# Allegro board 038RT-9068CJK8E-A100_0921_1.brd (continued)
## Placement (name value [footprint] x y rotation side) (continued)
UNK3R46  NC/10K-1-S4  [R0402]  538.34 286.57 90 bottom
UNK3R56  NC/1K-1-S4  [R0402]  621.84 252.09 270 bottom
UNK3R60  10K-1-S4  [R0402]  543.42 286.57 90 bottom
UNK3R61  10K-1-S4  [R0402]  551.04 286.57 90 bottom
UNK3R62  10K-1-S4  [R0402]  548.5 284.17 270 bottom
UNK3R63  NC/10K-1-S4  [R0402]  554.85 286.57 90 bottom
UNK3R64  NC/10K-1-S4  [R0402]  552.31 286.57 90 bottom
UNK3R66  NC/10K-1-S4  [R0402]  549.77 286.57 90 bottom
UNK3R67  NC/10K-1-S4  [R0402]  544.69 286.57 90 bottom
UNK3R68  NC/10K-1-S4  [R0402]  553.58 286.57 90 bottom
UNK3R69  24K-1-S4  [R0402]  606.47 265.72 270 bottom
UNK3R70  10K-1-S4  [R0402]  540.88 286.57 90 bottom
UNK3R71  10K-1-S4  [R0402]  542.15 286.57 90 bottom
UNK3R105  NC/0-5-S4  [R0402]  432.16 276.86 180 bottom
UNK3R110  24K-1-S4  [R0402]  405.8 274.69 0 bottom
UNK3R126  100-1-S4  [R0402]  633.1 357.92 0 top
UNK3R130  100-1-S4  [R0402]  640.14 357.92 0 top
UNK3R133  75-1-S4  [R0402]  630.59 329.01 270 top
UNK3R134  75-1-S4  [R0402]  636.62 329.01 270 top
UNK3R135  75-1-S4  [R0402]  636.62 309.47 270 top
UNK3R136  75-1-S4  [R0402]  630.59 309.47 270 top
UNK3R137  0-5-S4  [R0402]  655.18 144.78 90 bottom
UNK3R138  3.9K-1-S4  [R0402]  660.26 144.78 90 bottom
UNK3R139  1K-1-S4  [R0402]  633.37 279.37 0 top
UNK3R140  1K-1-S4  [R0402]  633.37 280.77 0 top
UNK3R141  1K-1-S4  [R0402]  633.37 284.58 0 top
UNK3R142  1K-1-S4  [R0402]  633.37 285.98 0 top
UNK3R149  1K-1-S4  [R0402]  360.56 266.82 180 bottom
UNK3R150  1K-1-S4  [R0402]  360.56 265.42 180 bottom
UNK3R155  1K-1-S4  [R0402]  368.45 261.86 0 bottom
UNK3R156  1K-1-S4  [R0402]  368.45 263.26 0 bottom
UNK3R263  NC/10K-1-S4  [R0402]  548.5 286.57 90 bottom
UNK3R264  NC/10K-1-S4  [R0402]  551.04 284.17 270 bottom
UNK3R275  1M-1-S6  [R0603]  562.64 426.15 270 bottom
UNK3R276  1M-1-S6  [R0603]  531.05 431.82 90 top
UNK3R281  10K-1-S4  [R0402]  537.07 284.17 270 bottom
UNK3R282  10K-1-S4  [R0402]  538.34 284.17 270 bottom
UNK3R309  NC/10K-1-S25-ST  [R2512]  528.26 436.77 180 top
UNK3R327  1K-1-S4  [R0402]  535.68 271.06 180 bottom
UNK3R328  1K-1-S4  [R0402]  535.68 277.94 180 bottom
UNK3R342  10K-1-S4  [R0402]  589.31 420.65 270 bottom
UNK3R343  10K-1-S4  [R0402]  584.23 420.65 270 bottom
UNK3R344  10K-1-S4  [R0402]  579.15 420.65 270 bottom
UNK3R345  10K-1-S4  [R0402]  574.07 420.65 270 bottom
UNK3R347  0-5-S4  [R0402]  545.96 284.17 90 bottom
UNK3R348  0-5-S4  [R0402]  547.23 284.17 90 bottom
UNK3R350  1K-1-S4  [R0402]  545.96 286.57 270 bottom
UNK3R351  1K-1-S4  [R0402]  547.23 286.57 90 bottom
UNK3R360  NC/898-1-S6-KOA  [R0603]  562.64 429.5 90 bottom
UNK3R361  NC/100-1-S6  [R0603]  562.64 432.93 90 bottom
UNK3R362  0-5-S6  [R0603]  565.18 421.28 270 bottom
UNK3R434  0-5-S4  [R0402]  434.22 276.86 0 bottom
UNK3R438  1K-1-S4  [R0402]  368.45 270.88 0 bottom
UNK3R439  1K-1-S4  [R0402]  360.56 273.04 180 bottom
UNK3R440  1K-1-S4  [R0402]  360.56 274.44 180 bottom
UNK3R441  1K-1-S4  [R0402]  368.45 269.48 0 bottom
UNK3R454  1K-1-S8  [R0805]  408.21 288.03 90 bottom
UNK3R455  1K-1-S8  [R0805]  406.18 288.03 90 bottom
UNK3R456  100K-1-S6  [R0603]  408.75 290.56 0 bottom
UNK3R470  1K-1-S4  [R0402]  618.58 274.77 0 bottom
UNK3R473  1K-1-S4  [R0402]  618.58 270.07 0 bottom
UNK3R474  1K-1-S4  [R0402]  618.58 273.37 0 bottom
UNK3R475  1K-1-S4  [R0402]  618.58 268.67 0 bottom
UNK3R498  1K-1-S8  [R0805]  414.82 288.03 90 bottom
UNK3R499  1K-1-S8  [R0805]  412.78 288.03 90 bottom
UNK3R500  100K-1-S6  [R0603]  415.35 290.56 0 bottom
UNK3R517  1K-1-S8  [R0805]  639.05 260.8 0 top
UNK3R518  1K-1-S8  [R0805]  639.05 262.84 0 top
UNK3R519  100K-1-S6  [R0603]  642.38 261.12 0 top
UNK3R536  1K-1-S8  [R0805]  639.05 256.16 0 top
UNK3R537  1K-1-S8  [R0805]  639.05 258.2 0 top
UNK3R538  100K-1-S6  [R0603]  642.38 256.48 0 top
UNK3R540  NC/120-1-S4  [R0402]  671.81 264.07 180 top
UNK3R541  NC/120-1-S4  [R0402]  678.81 264.07 0 top
UNK3R542  NC/120-1-S4  [R0402]  671.81 283.12 0 top
UNK3R543  NC/120-1-S4  [R0402]  678.81 283.12 0 top
UNK3R548  0-5-S4  [R0402]  573.59 449.66 180 top
UNK3R552  NC/10K-1-S4  [R0402]  543.42 284.17 90 bottom
UNK3R553  NC/0-5-S4  [R0402]  530.72 286.57 90 bottom
UNK3R554  NC/10K-1-S4  [R0402]  528.18 286.57 90 bottom
UNK3R555  NC/0-5-S4  [R0402]  542.15 284.17 90 bottom
UNK3R556  NC/0-5-S4  [R0402]  529.45 286.57 90 bottom
UNK3R557  NC/0-5-S4  [R0402]  521.83 286.57 90 bottom
UNK3R558  NC/0-5-S4  [R0402]  526.91 286.57 90 bottom
UNK3R559  NC/0-5-S4  [R0402]  525.64 286.57 90 bottom
UNK3R560  NC/0-5-S4  [R0402]  529.45 284.17 90 bottom
UNK3R561  NC/0-5-S4  [R0402]  530.72 284.17 90 bottom
UNK3R562  NC/0-5-S4  [R0402]  526.91 284.17 90 bottom
UNK3R563  NC/10K-1-S4  [R0402]  531.99 286.57 90 bottom
UNK3R564  NC/10K-1-S4  [R0402]  533.26 286.57 90 bottom
UNK3R565  NC/10K-1-S4  [R0402]  534.53 286.57 90 bottom
UNK3R566  NC/10K-1-S4  [R0402]  535.8 286.57 90 bottom
UNK3R567  NC/0-5-S4  [R0402]  523.1 286.57 90 bottom
UNK3R568  NC/10K-1-S4  [R0402]  554.85 284.17 270 bottom
UNK3R569  NC/10K-1-S4  [R0402]  552.31 284.17 270 bottom
UNK3R570  NC/10K-1-S4  [R0402]  549.77 284.17 270 bottom
UNK3R571  NC/10K-1-S4  [R0402]  553.58 284.17 270 bottom
UNK3R572  NC/10K-1-S4  [R0402]  544.69 284.17 270 bottom
UNK3R573  NC/10K-1-S4  [R0402]  528.18 284.17 270 bottom
UNK3R574  NC/10K-1-S4  [R0402]  535.8 284.17 270 bottom
UNK3R575  NC/10K-1-S4  [R0402]  534.53 284.17 270 bottom
UNK3R576  NC/10K-1-S4  [R0402]  533.26 284.17 270 bottom
UNK3R577  NC/10K-1-S4  [R0402]  531.99 284.17 270 bottom
UNK3R578  0-1-S4-YA  [R0402]  619.3 252.09 270 bottom
UNK3R579  0-1-S4-YA  [R0402]  620.57 252.09 270 bottom
UNK3R580  0-1-S4-YA  [R0402]  557.39 284.17 90 bottom
UNK3R581  0-1-S4-YA  [R0402]  559.93 286.57 90 bottom
UNK3R582  0-1-S4-YA  [R0402]  559.93 284.17 90 bottom
UNK3R583  0-1-S4-YA  [R0402]  558.66 286.57 90 bottom
UNK3R584  0-1-S4-YA  [R0402]  540.88 284.17 270 bottom
UNK3R586  0-5-S25  [R2512]  556.79 446.94 270 top
UNK3RB7  54.9K-1-S4  [R0402]  573.59 452.2 180 top
UNK3RB8  100K-1-S4  [R0402]  573.59 453.47 0 top
UNK3RD11  0-5-SB  [R1210]  502.28 418.71 0 top
UNK3RD21  0-5-SB  [R1210]  507.36 418.71 180 top
UNK3RD32  0-5-S8  [R0805]  390.38 262.71 90 bottom
UNK3RD42  0-5-S8  [R0805]  415.13 245.36 180 bottom
UNK3RD43  0-5-S8  [R0805]  411.09 241.7 180 bottom
UNK3RD62  0-5-S8  [R0805]  395.6 247.39 0 bottom
UNK3RD64  0-5-S8  [R0805]  395.6 245.36 180 bottom
UNK3RD72  0-5-S8  [R0805]  411.09 247.42 180 bottom
UNK3RD73  0-5-S6  [R0603]  436.09 263.99 0 bottom
UNK3RD74  0-5-S6  [R0603]  429.74 263.99 0 bottom
UNK3RD75  0-5-S6  [R0603]  436.09 258.91 0 bottom
UNK3RD76  0-5-S6  [R0603]  429.74 258.91 0 bottom
UNK3RD77  0-5-S6  [R0603]  436.09 266.53 0 bottom
UNK3RD78  0-5-S6  [R0603]  436.09 261.45 0 bottom
UNK3RD79  0-5-S6  [R0603]  586.77 420.65 90 bottom
UNK3RD80  0-5-S6  [R0603]  576.61 420.65 90 bottom
UNK3RD81  0-5-S6  [R0603]  344.46 281.13 180 bottom
UNK3RD82  0-5-S6  [R0603]  540.51 273.73 180 bottom
UNK3RD83  0-5-S6  [R0603]  540.51 275.26 180 bottom
UNK3RD84  0-5-S6  [R0603]  344.46 270.11 180 bottom
UNK3RD85  0-5-S6  [R0603]  344.46 284.33 180 bottom
UNK3RD86  0-5-S6  [R0603]  344.46 277.91 180 bottom
UNK3RD87  0-5-S6  [R0603]  432.91 263.99 0 bottom
UNK3RD88  0-5-S6  [R0603]  429.74 261.45 0 bottom
UNK3RD89  0-5-S6  [R0603]  432.91 258.91 0 bottom
UNK3RD90  0-5-S6  [R0603]  429.74 269.07 0 bottom
UNK3RD92  0-5-S6  [R0603]  432.91 261.45 0 bottom
UNK3RD95  0-5-S6  [R0603]  432.91 266.53 0 bottom
UNK3RD96  0-5-S6  [R0603]  436.09 269.07 0 bottom
UNK3RD97  0-5-S6  [R0603]  432.91 269.07 180 bottom
UNK3RD98  0-5-S6  [R0603]  344.46 287.46 180 bottom
UNK3RD99  0-5-S6  [R0603]  344.46 290.66 180 bottom
UNK3RD100  0-5-S6  [R0603]  429.74 266.53 0 bottom
UNK3RD101  0-5-S6  [R0603]  344.46 273.31 180 bottom
UNK3RD178  0-5-S6  [R0603]  344.46 266.2 180 bottom
UNK3RD179  0-5-S6  [R0603]  344.46 263 180 bottom
UNK3RD180  NC/0-5-S6  [R0603]  522.74 280.85 0 bottom
UNK3RD181  NC/0-5-S6  [R0603]  522.74 279.32 0 bottom
UNK3RG1  0-5-SB  [R1210]  631.81 268.61 90 top
UNK3RG21  0-5-S4  [R0402]  524.37 286.57 90 bottom
UNK3RG22  0-5-S4  [R0402]  525.64 284.17 90 bottom
UNK3RG32  0-5-S8  [R0805]  594.49 281.65 0 bottom
UNK3RG42  0-5-S8  [R0805]  579.2 256.39 90 bottom
UNK3RG64  0-5-S8  [R0805]  577.13 275.41 90 bottom
UNK3RG72  0-5-S8  [R0805]  579.2 260.42 90 bottom
UNK3RG73  0-5-S6  [R0603]  627.43 251.66 0 bottom
UNK3RG74  0-5-S6  [R0603]  627.43 249.76 0 bottom
UNK3RG75  0-5-S6  [R0603]  627.43 245.95 0 bottom
UNK3RG76  0-5-S6  [R0603]  627.43 244.04 0 bottom
UNK3RG77  0-5-S6  [R0603]  627.43 253.59 0 bottom
UNK3RG78  0-5-S6  [R0603]  627.43 247.85 0 bottom
UNK3RH13  4.7K-1-S6  [R0603]  472.45 426.2 90 bottom
UNK3RH23  4.7K-1-S6  [R0603]  410.44 426.2 90 bottom
UNK3RH112  0-5-S4  [R0402]  477.82 428.93 90 bottom
UNK3RH113  10K-1-S6  [R0603]  479.22 431.47 90 bottom
UNK3RH114  10K-1-S6  [R0603]  480.74 431.47 90 bottom
UNK3RH116  0-5-SB  [R1210]  446.18 431.88 90 bottom
UNK3RH118  NC/0-5-S4  [R0402]  467.79 449.76 270 bottom
UNK3RH119  NC/0-5-S4  [R0402]  466.52 449.76 270 bottom
UNK3RH121  47K-1-S4  [R0402]  494.71 428.41 180 top
UNK3RH122  47K-1-S4  [R0402]  492.94 455.58 270 top
UNK3RH123  NC/0-5-S4  [R0402]  465.25 449.76 270 bottom
UNK3RH129  NC/0-5-S4  [R0402]  463.19 438.45 270 bottom
UNK3RH130  0-5-S4  [R0402]  457.79 444.7 90 bottom
UNK3RH132  0-5-S4  [R0402]  456.52 444.7 90 bottom
UNK3RH151  0-5-S4  [R0402]  472.74 428.93 90 bottom
UNK3RH152  NC/0-5-S4  [R0402]  495.48 458.89 90 bottom
UNK3RH161  0-5-S4  [R0402]  472.74 431.47 90 bottom
UNK3RH162  NC/0-5-S4  [R0402]  492.94 458.89 90 bottom
UNK3RH171  4.7K-1-S6  [R0603]  474.01 428.93 90 bottom
UNK3RH172  NC/0-5-S4  [R0402]  474.01 431.47 90 bottom
UNK3RH181  0-5-S4  [R0402]  475.28 428.93 90 bottom
UNK3RH182  NC/0-5-S4  [R0402]  490.4 458.89 90 bottom
UNK3RH191  0-5-S4  [R0402]  475.28 431.47 90 bottom
UNK3RH192  NC/0-5-S4  [R0402]  487.86 458.89 270 bottom
UNK3RH212  0-5-S4  [R0402]  415.81 428.93 90 bottom
UNK3RH213  10K-1-S6  [R0603]  417.21 431.47 90 bottom
UNK3RH214  10K-1-S6  [R0603]  418.73 431.47 90 bottom
UNK3RH216  0-5-SB  [R1210]  384.17 431.88 90 bottom
UNK3RH218  NC/0-5-S4  [R0402]  405.78 449.76 270 bottom
UNK3RH219  NC/0-5-S4  [R0402]  404.51 449.76 270 bottom
UNK3RH221  47K-1-S4  [R0402]  432.7 428.41 180 top
UNK3RH222  47K-1-S4  [R0402]  430.93 455.58 270 top
UNK3RH223  NC/0-5-S4  [R0402]  403.24 449.76 270 bottom
UNK3RH229  NC/0-5-S4  [R0402]  401.18 438.45 270 bottom
UNK3RH230  0-5-S4  [R0402]  395.78 444.7 90 bottom
UNK3RH232  0-5-S4  [R0402]  394.51 444.7 90 bottom
UNK3RH251  0-5-S4  [R0402]  410.73 428.93 90 bottom
UNK3RH252  NC/0-5-S4  [R0402]  437.28 458.89 90 bottom
UNK3RH261  0-5-S4  [R0402]  410.73 431.47 90 bottom
UNK3RH262  NC/0-5-S4  [R0402]  434.74 458.89 90 bottom
UNK3RH271  4.7K-1-S6  [R0603]  412 428.93 90 bottom
UNK3RH272  NC/0-5-S4  [R0402]  412 431.47 90 bottom
UNK3RH281  0-5-S4  [R0402]  413.27 428.93 90 bottom
UNK3RH282  NC/0-5-S4  [R0402]  432.2 458.89 90 bottom
UNK3RH291  0-5-S4  [R0402]  413.27 431.47 90 bottom
UNK3RH292  NC/0-5-S4  [R0402]  429.66 458.89 270 bottom
UNK3RH1101  NC/0-5-S4  [R0402]  476.55 431.47 90 bottom
UNK3RH1102  0-5-S4  [R0402]  477.82 431.47 90 bottom
UNK3RH1103  10K-1-S6  [R0603]  476.55 428.93 90 bottom
UNK3RH1104  NC/0-5-S4  [R0402]  485.32 458.89 270 bottom
UNK3RH1182  NC/0-5-S4  [R0402]  462.46 458.89 270 bottom
UNK3RH1192  NC/0-5-S4  [R0402]  459.92 458.89 270 bottom
UNK3RH1232  NC/0-5-S4  [R0402]  457.38 458.89 270 bottom
UNK3RH1241  NC/0-5-S4  [R0402]  463.98 449.76 270 bottom
UNK3RH1242  47K-1-S4  [R0402]  492.44 428.41 180 top
UNK3RH1243  NC/0-5-S4  [R0402]  454.84 458.89 270 bottom
UNK3RH1261  10K-1-S6  [R0603]  462.71 452.3 90 bottom
UNK3RH1262  0-5-S4  [R0402]  462.71 449.76 90 bottom
UNK3RH1263  NC/0-5-S4  [R0402]  452.3 458.89 270 bottom
UNK3RH1271  10K-1-S6  [R0603]  461.18 452.3 90 bottom
UNK3RH1272  0-5-S4  [R0402]  461.18 449.76 90 bottom
UNK3RH1273  NC/0-5-S4  [R0402]  449.76 458.89 270 bottom
UNK3RH1281  10K-1-S6  [R0603]  459.66 452.3 90 bottom
UNK3RH1282  0-5-S4  [R0402]  459.66 449.76 90 bottom
UNK3RH1283  NC/0-5-S4  [R0402]  471.35 458.89 270 bottom
UNK3RH1511  12K-1-S4  [R0402]  459.26 431.99 0 bottom
UNK3RH2101  NC/0-5-S4  [R0402]  414.54 431.47 90 bottom
UNK3RH2102  0-5-S4  [R0402]  415.81 431.47 90 bottom
UNK3RH2103  10K-1-S6  [R0603]  414.54 428.93 90 bottom
UNK3RH2104  NC/0-5-S4  [R0402]  427.12 458.89 270 bottom
UNK3RH2182  NC/0-5-S4  [R0402]  400.45 458.89 270 bottom
UNK3RH2192  NC/0-5-S4  [R0402]  397.91 458.89 270 bottom
UNK3RH2232  NC/0-5-S4  [R0402]  395.37 458.89 270 bottom
UNK3RH2241  NC/0-5-S4  [R0402]  401.97 449.76 270 bottom
UNK3RH2242  47K-1-S4  [R0402]  430.43 428.41 180 top
UNK3RH2243  NC/0-5-S4  [R0402]  392.83 458.89 270 bottom
UNK3RH2261  10K-1-S6  [R0603]  400.7 452.3 90 bottom
UNK3RH2262  0-5-S4  [R0402]  400.7 449.76 90 bottom
UNK3RH2263  NC/0-5-S4  [R0402]  390.29 458.89 270 bottom
UNK3RH2271  10K-1-S6  [R0603]  399.17 452.3 90 bottom
UNK3RH2272  0-5-S4  [R0402]  399.17 449.76 90 bottom
UNK3RH2273  NC/0-5-S4  [R0402]  387.75 458.89 270 bottom
UNK3RH2281  10K-1-S6  [R0603]  397.65 452.3 90 bottom
UNK3RH2282  0-5-S4  [R0402]  397.65 449.76 90 bottom
UNK3RH2283  NC/0-5-S4  [R0402]  413.15 458.89 270 bottom
UNK3RH2511  12K-1-S4  [R0402]  397.25 431.99 0 bottom
UNK3RHPC1  0-5-S25  [R2512]  441.03 449.58 270 bottom
UNK3RL15  NC/3.9K-1-S4  [R0402]  665.59 280.29 90 bottom
UNK3RL16  10K-1-S4  [R0402]  666.73 278.26 270 bottom
UNK3RL18  10K-1-S4  [R0402]  640.24 273.77 90 bottom
UNK3RL21  10K-1-S4  [R0402]  546.21 251.66 180 bottom
UNK3RL38  NC/3.9K-1-S4  [R0402]  549.58 274.05 180 bottom
UNK3RL39  10K-1-S4  [R0402]  549.08 267.57 90 bottom
UNK3RL42  10K-1-S4  [R0402]  437.56 252.76 225 bottom
UNK3RL44  10K-1-S4  [R0402]  460.46 253.12 180 bottom
UNK3RR400  0-5-S6  [R0603]  493.23 273.73 180 bottom
UNK3RR401  0-5-S6  [R0603]  508.99 275.26 180 bottom
UNK3RR402  0-5-S6  [R0603]  524.75 262.84 180 bottom
UNK3RR403  0-5-S6  [R0603]  508.99 262.84 180 bottom
UNK3RR404  0-5-S6  [R0603]  508.99 273.73 180 bottom
UNK3RR405  0-5-S6  [R0603]  493.23 275.26 180 bottom
UNK3RR406  0-5-S6  [R0603]  508.99 261.32 180 bottom
UNK3RR407  0-5-S6  [R0603]  508.99 267.53 180 bottom
UNK3RR408  0-5-S6  [R0603]  524.75 275.26 180 bottom
UNK3RR409  0-5-S6  [R0603]  524.75 273.73 180 bottom
UNK3RR410  0-5-S6  [R0603]  524.75 269.05 180 bottom
UNK3RR411  0-5-S6  [R0603]  524.75 267.53 180 bottom
UNK3RR412  0-5-S6  [R0603]  508.99 269.05 180 bottom
UNK3RR413  0-5-S6  [R0603]  524.75 261.32 180 bottom
UNK3RR500  0-1-S2-YA  [R0201]  592.43 242.31 90 bottom
UNK3RR501  0-1-S2-YA  [R0201]  590.4 242.31 90 bottom
UNK3RR502  0-1-S2-YA  [R0201]  594.46 242.31 90 bottom
UNK3RR503  0-1-S2-YA  [R0201]  596.49 242.31 90 bottom
UNK3RR504  0-1-S2-YA  [R0201]  586.33 242.31 90 bottom
UNK3RR505  0-1-S2-YA  [R0201]  588.37 242.31 90 bottom
UNK3RR510  0-1-S2-YA  [R0201]  592.43 241.1 270 bottom
UNK3RR511  0-1-S2-YA  [R0201]  590.4 241.1 270 bottom
UNK3RR512  0-1-S2-YA  [R0201]  594.46 241.1 270 bottom
UNK3RR513  0-1-S2-YA  [R0201]  596.49 241.1 270 bottom
UNK3RR514  0-1-S2-YA  [R0201]  586.33 241.1 270 bottom
UNK3RR515  0-1-S2-YA  [R0201]  588.37 241.1 270 bottom
UNK3RR520  0-1-S2-YA  [R0201]  440.62 280.64 0 bottom
UNK3RR521  0-1-S2-YA  [R0201]  436.81 284.7 0 bottom
UNK3RR522  0-1-S2-YA  [R0201]  440.62 278.61 0 bottom
UNK3RR523  0-1-S2-YA  [R0201]  436.81 282.67 0 bottom
UNK3RR524  0-1-S2-YA  [R0201]  440.62 284.7 0 bottom
UNK3RR525  0-1-S2-YA  [R0201]  440.62 286.73 0 bottom
UNK3RR530  0-1-S2-YA  [R0201]  439.41 280.64 180 bottom
UNK3RR531  0-1-S2-YA  [R0201]  435.6 284.7 180 bottom
UNK3RR532  0-1-S2-YA  [R0201]  439.41 278.61 180 bottom
UNK3RR533  0-1-S2-YA  [R0201]  435.6 282.67 180 bottom
UNK3RR534  0-1-S2-YA  [R0201]  439.41 284.7 180 bottom
UNK3RR535  0-1-S2-YA  [R0201]  439.41 286.73 180 bottom
UNK3RR900  0-1-S2-YA  [R0201]  602.59 242.31 90 bottom
UNK3RR901  0-1-S2-YA  [R0201]  600.56 242.31 90 bottom
UNK3RR902  0-1-S2-YA  [R0201]  584.3 242.31 90 bottom
UNK3RR903  0-1-S2-YA  [R0201]  598.53 242.31 90 bottom
UNK3RR904  0-1-S2-YA  [R0201]  606.65 242.31 90 bottom
UNK3RR905  0-1-S2-YA  [R0201]  604.62 242.31 90 bottom
UNK3RR910  0-1-S2-YA  [R0201]  602.59 241.1 270 bottom
UNK3RR911  0-1-S2-YA  [R0201]  600.56 241.1 270 bottom
UNK3RR912  0-1-S2-YA  [R0201]  584.3 241.1 270 bottom
UNK3RR913  0-1-S2-YA  [R0201]  598.53 241.1 270 bottom
UNK3RR914  0-1-S2-YA  [R0201]  606.65 241.1 270 bottom
UNK3RR915  0-1-S2-YA  [R0201]  604.62 241.1 270 bottom
UNK3RR920  0-1-S2-YA  [R0201]  574.97 252.56 90 bottom
UNK3RR921  0-1-S2-YA  [R0201]  436.81 280.64 0 bottom
UNK3RR922  0-1-S2-YA  [R0201]  436.81 278.61 0 bottom
UNK3RR923  0-1-S2-YA  [R0201]  436.81 288.77 0 bottom
UNK3RR924  0-1-S2-YA  [R0201]  436.81 286.73 0 bottom
UNK3RR925  0-1-S2-YA  [R0201]  440.62 282.67 0 bottom
UNK3RR930  0-1-S2-YA  [R0201]  574.97 251.35 270 bottom
UNK3RR931  0-1-S2-YA  [R0201]  435.6 280.64 180 bottom
UNK3RR932  0-1-S2-YA  [R0201]  435.6 278.61 180 bottom
UNK3RR933  0-1-S2-YA  [R0201]  435.6 288.77 180 bottom
UNK3RR934  0-1-S2-YA  [R0201]  435.6 286.73 180 bottom
UNK3RR935  0-1-S2-YA  [R0201]  439.41 282.67 180 bottom
UNK3RRG49  10K-1-S4  [R0402]  558.66 284.17 90 bottom
UNK3RRG51  10K-1-S4  [R0402]  556.32 238.86 270 bottom
UNK3RRG52  NC/10K-1-S4  [R0402]  555.18 238.86 270 bottom
UNK3RRG53  10K-1-S4  [R0402]  556.32 241.15 90 bottom
UNK3RRG54  NC/10K-1-S4  [R0402]  555.18 241.15 90 bottom
UNK3RRG55  NC/10K-1-S4  [R0402]  541.08 238.86 270 bottom
UNK3RRG56  10K-1-S4  [R0402]  539.94 238.86 270 bottom
UNK3RRG57  NC/10K-1-S4  [R0402]  541.08 241.15 90 bottom
UNK3RRG58  10K-1-S4  [R0402]  539.94 241.15 90 bottom
UNK3RRG59  10K-1-S4  [R0402]  588 237.18 180 top
UNK3RRG91  10K-1-S4  [R0402]  556.32 232.51 270 bottom
UNK3RRG92  NC/10K-1-S4  [R0402]  555.18 232.51 270 bottom
UNK3RRG93  NC/10K-1-S4  [R0402]  556.32 234.8 90 bottom
UNK3RRG94  10K-1-S4  [R0402]  555.18 234.8 90 bottom
UNK3RRG95  NC/10K-1-S4  [R0402]  541.08 232.51 270 bottom
UNK3RRG96  10K-1-S4  [R0402]  539.94 232.51 270 bottom
UNK3RS5  NC/0-5-S4  [R0402]  384.34 269.36 90 bottom
UNK3RS6  100K-1-S4  [R0402]  571.37 454.74 0 top
UNK3RS7  0-5-SB  [R1210]  566.92 448.39 90 top
UNK3RS9  0-5-SB  [R1210]  567.56 456.01 0 top
UNK3RS11  NC/0-5-S4  [R0402]  420.57 242.4 90 bottom
UNK3RS104  10K-1-S4  [R0402]  426.18 428.41 0 bottom
UNK3RS114  10K-1-S4  [R0402]  428.31 428.41 180 bottom
UNK3RSG104  10K-1-S4  [R0402]  521.83 284.17 90 bottom
UNK3RSG105  10K-1-S4  [R0402]  539.61 286.57 90 bottom
UNK3RSG114  10K-1-S4  [R0402]  523.1 284.17 90 bottom
UNK3RSG115  10K-1-S4  [R0402]  539.61 284.17 270 bottom
UNK3RU11  4.7K-1-S4-WA  [R0402]  666.73 280.29 270 bottom
UNK3RU12  0-1-S4-YA  [R0402]  666.73 274.7 270 bottom
UNK3SPIH11  MX25L3233FM2I-08G-C-SO8/SK-SO8-1.27  [SK_SO8_1P27MM_LOTES]  493.58 441.75 0 top
UNK3SPIH21  MX25L3233FM2I-08G-C-SO8/SK-SO8-1.27  [SK_SO8_1P27MM_LOTES]  431.57 441.75 0 top
UNK3ST1  SHORT  [DEFAULT_SHORT_SMALL]  408.82 242.04 270 bottom
UNK3ST01  SHORT  [DEFAULT_SHORT_SMALL]  444.16 443.27 90 bottom
UNK3ST2  SHORT  [DEFAULT_SHORT_SMALL]  502.56 438.48 180 top
UNK3ST3  SHORT  [DEFAULT_SHORT_SMALL]  414.11 253.2 0 bottom
UNK3ST5  SHORT  [DEFAULT_SHORT_SMALL]  387.57 268.86 180 bottom
UNK3ST6  SHORT  [DEFAULT_SHORT_SMALL]  398.7 242.24 270 bottom
UNK3STB00  SHORT  [DEFAULT_SHORT_SMALL]  445.2 143.62 90 top
UNK3STB64  SHORT  [DEFAULT_SHORT_SMALL]  445.2 335.55 90 top
UNK3STG1  SHORT  [DEFAULT_SHORT_SMALL]  407.98 242.02 270 bottom
UNK3STG01  SHORT  [DEFAULT_SHORT_SMALL]  442.89 443.27 90 bottom
UNK3STG2  SHORT  [DEFAULT_SHORT_SMALL]  502.53 437.41 180 top
UNK3STG3  SHORT  [DEFAULT_SHORT_SMALL]  414.11 254.22 0 bottom
UNK3STG5  SHORT  [DEFAULT_SHORT_SMALL]  387.57 269.62 180 bottom
UNK3STG6  SHORT  [DEFAULT_SHORT_SMALL]  397.86 242.22 270 bottom
UNK3SWR1  SY8003EDFC-3A-A-DFN2X2-8  [DFN2X2_8P_1P9X0P5MM_EP]  571.05 451.88 180 top
UNK3T2  ACT1210L-201-2P-TL00  [FILTER_4P_9075AA]  625.78 280.13 180 top
UNK3T3  ACT1210L-201-2P-TL00  [FILTER_4P_9075AA]  625.78 285.34 180 top
UNK3T7  ACT1210L-201-2P-TL00  [FILTER_4P_9075AA]  368.28 266.12 0 bottom
UNK3T8  ACT1210L-201-2P-TL00  [FILTER_4P_9075AA]  360.73 262.57 180 bottom
UNK3T12  7490100161A  [TRANS_7490100161A_16P]  636.62 335.67 0 top
UNK3T13  7490100161A  [TRANS_7490100161A_16P]  636.62 316.13 0 top
UNK3T15  ACT1210L-201-2P-TL00  [FILTER_4P_9075AA]  360.73 270.19 180 bottom
UNK3T17  ACT1210L-201-2P-TL00  [FILTER_4P_9075AA]  368.28 273.74 0 bottom
UNK3T18  ACT1210G-800-2P-TL05  [FILTER_4P_9075AA]  407.19 279.69 270 bottom
UNK3T20  ACT1210L-201-2P-TL00  [FILTER_4P_9075AA]  610.98 269.42 180 bottom
UNK3T21  ACT1210L-201-2P-TL00  [FILTER_4P_9075AA]  610.98 274.12 180 bottom
UNK3T23  ACT1210G-800-2P-TL05  [FILTER_4P_9075AA]  413.8 279.69 270 bottom
UNK3T24  ACT1210G-800-2P-TL05  [FILTER_4P_9075AA]  630.71 261.82 180 top
UNK3T25  ACT1210G-800-2P-TL05  [FILTER_4P_9075AA]  630.71 257.18 180 top
UNK3U6  CU/PI2LVD512AE-TSSOP64  [TSOP64_280X05MM]  655.18 168.15 180 bottom
UNK3U17  CU/PI2LVD512AE-TSSOP64  [TSOP64_280X05MM]  665.65 350.14 0 bottom
UNK3U18  CU/PI2LVD512AE-TSSOP64  [TSOP64_280X05MM]  665.65 331.09 0 bottom
UNK3Y6  XTAL25M-S2520-AKER-20P  [XTAL_2X2P5MM_4P_NDK]  605.52 251.43 180 bottom
UNK3Y7  XTAL25M-S2520-AKER-20P  [XTAL_2X2P5MM_4P_NDK]  441.06 273.18 270 bottom
UNK3YH11  XTAL25M-S2520-AKER-20P  [XTAL_2X2P5MM_4P_NDK]  458.33 426.64 180 bottom
UNK3YH21  XTAL25M-S2520-AKER-20P  [XTAL_2X2P5MM_4P_NDK]  396.33 426.64 180 bottom
UNK45V_OUPUT  HDR-2X1-MR  [JP_2P_100_R90]  16.41 392.63 90 top
UNK087-0068F0400000-99  REF-CODE-SOCKET  [SOCKET_CODE]  147.94 493.65 0 top
UNK087-0273B0800000-100  REF-CODE-SOCKET  [SOCKET_CODE]  71.82 493 0 top
UNK980RT-9068CJ-K9X-  REF-CODE-CHIP  [CHIP_CODE]  108.49 496.07 0 top
VDD18_ATX  TP01  [TP_040_T]  55.91 396.59 0 top
Y6  XTAL25M-S2520-AKER-20P  [XTAL_2X2P5MM_4P_NDK]  85.08 221.01 0 bottom
Y7  XTAL25M-S2520-AKER-20P  [XTAL_2X2P5MM_4P_NDK]  321.06 213.18 270 bottom
YH11  XTAL25M-S2520-AKER-20P  [XTAL_2X2P5MM_4P_NDK]  225.96 49.53 0 bottom
YH21  XTAL25M-S2520-AKER-20P  [XTAL_2X2P5MM_4P_NDK]  287.97 49.53 0 bottom

## Library data of the parts
ATX1 = ATX-12X2-MR: Tolerance: TOL; User Part Number: PNXXXXXXXXXX
ATX_PWCT UNK45V_OUPUT = HDR-2X1-MR: Tolerance: TOL; User Part Number: PNXXXXXXXXXX
BD1 BD2 BD5 BD8-BD10 BD19 BD20 BDB1-BDB8 BDG1 BDG2 BDG5 BDG8-BDG10 BDG19 BDG20 BDH11-BDH14 BDH21-BDH24 UNK1BD1 UNK1BD2 UNK1BD5 UNK1BD8-UNK1BD10 UNK1BD19 UNK1BD20 UNK1BDG1 UNK1BDG2 UNK1BDG5 UNK1BDG8-UNK1BDG10 UNK1BDG19 UNK1BDG20 UNK1BDH11-UNK1BDH14 UNK1BDH21-UNK1BDH24 UNK2BD1 UNK2BD2 UNK2BD5 UNK2BD8-UNK2BD10 UNK2BD19 UNK2BD20 UNK2BDG1 UNK2BDG2 UNK2BDG5 UNK2BDG8-UNK2BDG10 UNK2BDG19 UNK2BDG20 UNK2BDH11-UNK2BDH14 UNK2BDH21-UNK2BDH24 UNK3BD1 UNK3BD2 UNK3BD5 UNK3BD8-UNK3BD10 UNK3BD19 UNK3BD20 UNK3BDG1 UNK3BDG2 UNK3BDG5 UNK3BDG8-UNK3BDG10 UNK3BDG19 UNK3BDG20 UNK3BDH11-UNK3BDH14 UNK3BDH21-UNK3BDH24 = BD80-5A-S8-LA: User Part Number: PNXXXXXXXXXX; Tolerance: TOL
BD15-BD18 BDB23-BDB31 BDG15-BDG18 UNK1BD15-UNK1BD18 UNK1BDG15-UNK1BDG18 UNK2BD15-UNK2BD18 UNK2BDG15-UNK2BDG18 UNK3BD15-UNK3BD18 UNK3BDG15-UNK3BDG18 = BD120-3A-S8: User Part Number: PNXXXXXXXXXX; Tolerance: TOL
BST1 = LM5022QDGSTQ1-1A-A-VSSOP10: Tolerance: TOL; User Part Number: PNXXXXXXXXXX
BST_P45V S0_SW_CTRL S0_TAPSL0 S0_TAPSL1 S1_SW_CTRL S1_TAPSL0 S1_TAPSL1 S2_SW_CTRL S2_TAPSL0 S2_TAPSL1 S3_SW_CTRL S3_TAPSL0 S3_TAPSL1 = HDR-3X1-MR: Tolerance: TOL; User Part Number: PNXXXXXXXXXX
C13 CD22 CD23 CD47 CD49 CD76 CD78 CD95 CD97 CD118 CD119 CD123 CD125 CD158 CD159 CD171 CD173 CG22 CG23 CG47 CG49 CG76 CG78 CG95 CG97 CG118 CG119 CG123 CG125 CG158 CG159 CG171 CG173 UNK1C13 UNK1CD22 UNK1CD23 UNK1CD47 UNK1CD49 UNK1CD76 UNK1CD78 UNK1CD95 UNK1CD97 UNK1CD118 UNK1CD119 UNK1CD123 UNK1CD125 UNK1CD158 UNK1CD159 UNK1CD171 UNK1CD173 UNK1CG22 UNK1CG23 UNK1CG47 UNK1CG49 UNK1CG76 UNK1CG78 UNK1CG95 UNK1CG97 UNK1CG118 UNK1CG119 UNK1CG123 UNK1CG125 UNK1CG158 UNK1CG159 UNK1CG171 UNK1CG173 UNK2C13 UNK2CD22 UNK2CD23 UNK2CD47 UNK2CD49 UNK2CD76 UNK2CD78 UNK2CD95 UNK2CD97 UNK2CD118 UNK2CD119 UNK2CD123 UNK2CD125 UNK2CD158 UNK2CD159 UNK2CD171 UNK2CD173 UNK2CG22 UNK2CG23 UNK2CG47 UNK2CG49 UNK2CG76 UNK2CG78 UNK2CG95 UNK2CG97 UNK2CG118 UNK2CG119 UNK2CG123 UNK2CG125 UNK2CG158 UNK2CG159 UNK2CG171 UNK2CG173 UNK3C13 UNK3CD22 UNK3CD23 UNK3CD47 UNK3CD49 UNK3CD76 UNK3CD78 UNK3CD95 UNK3CD97 UNK3CD118 UNK3CD119 UNK3CD123 UNK3CD125 UNK3CD158 UNK3CD159 UNK3CD171 UNK3CD173 UNK3CG22 UNK3CG23 UNK3CG47 UNK3CG49 UNK3CG76 UNK3CG78 UNK3CG95 UNK3CG97 UNK3CG118 UNK3CG119 UNK3CG123 UNK3CG125 UNK3CG158 UNK3CG159 UNK3CG171 UNK3CG173 = 47U-35-Y-S6.1X5.3-MU: User Part Number: PNXXXXXXXXXX; Tolerance: TOL
C18 C144 C145 C173 C185 C209 C213 C214 C217 C220 CB246 CB249 CB256 CB259 UNK1C18 UNK1C144 UNK1C145 UNK1C173 UNK1C185 UNK1C209 UNK1C213 UNK1C214 UNK1C217 UNK1C220 UNK2C18 UNK2C144 UNK2C145 UNK2C173 UNK2C185 UNK2C209 UNK2C213 UNK2C214 UNK2C217 UNK2C220 UNK3C18 UNK3C144 UNK3C145 UNK3C173 UNK3C185 UNK3C209 UNK3C213 UNK3C214 UNK3C217 UNK3C220 = 10U-25-X-S8-MU: User Part Number: PNXXXXXXXXXX; Tolerance: TOL
